# KiCad board asynthosc.kicad_pcb (continued)
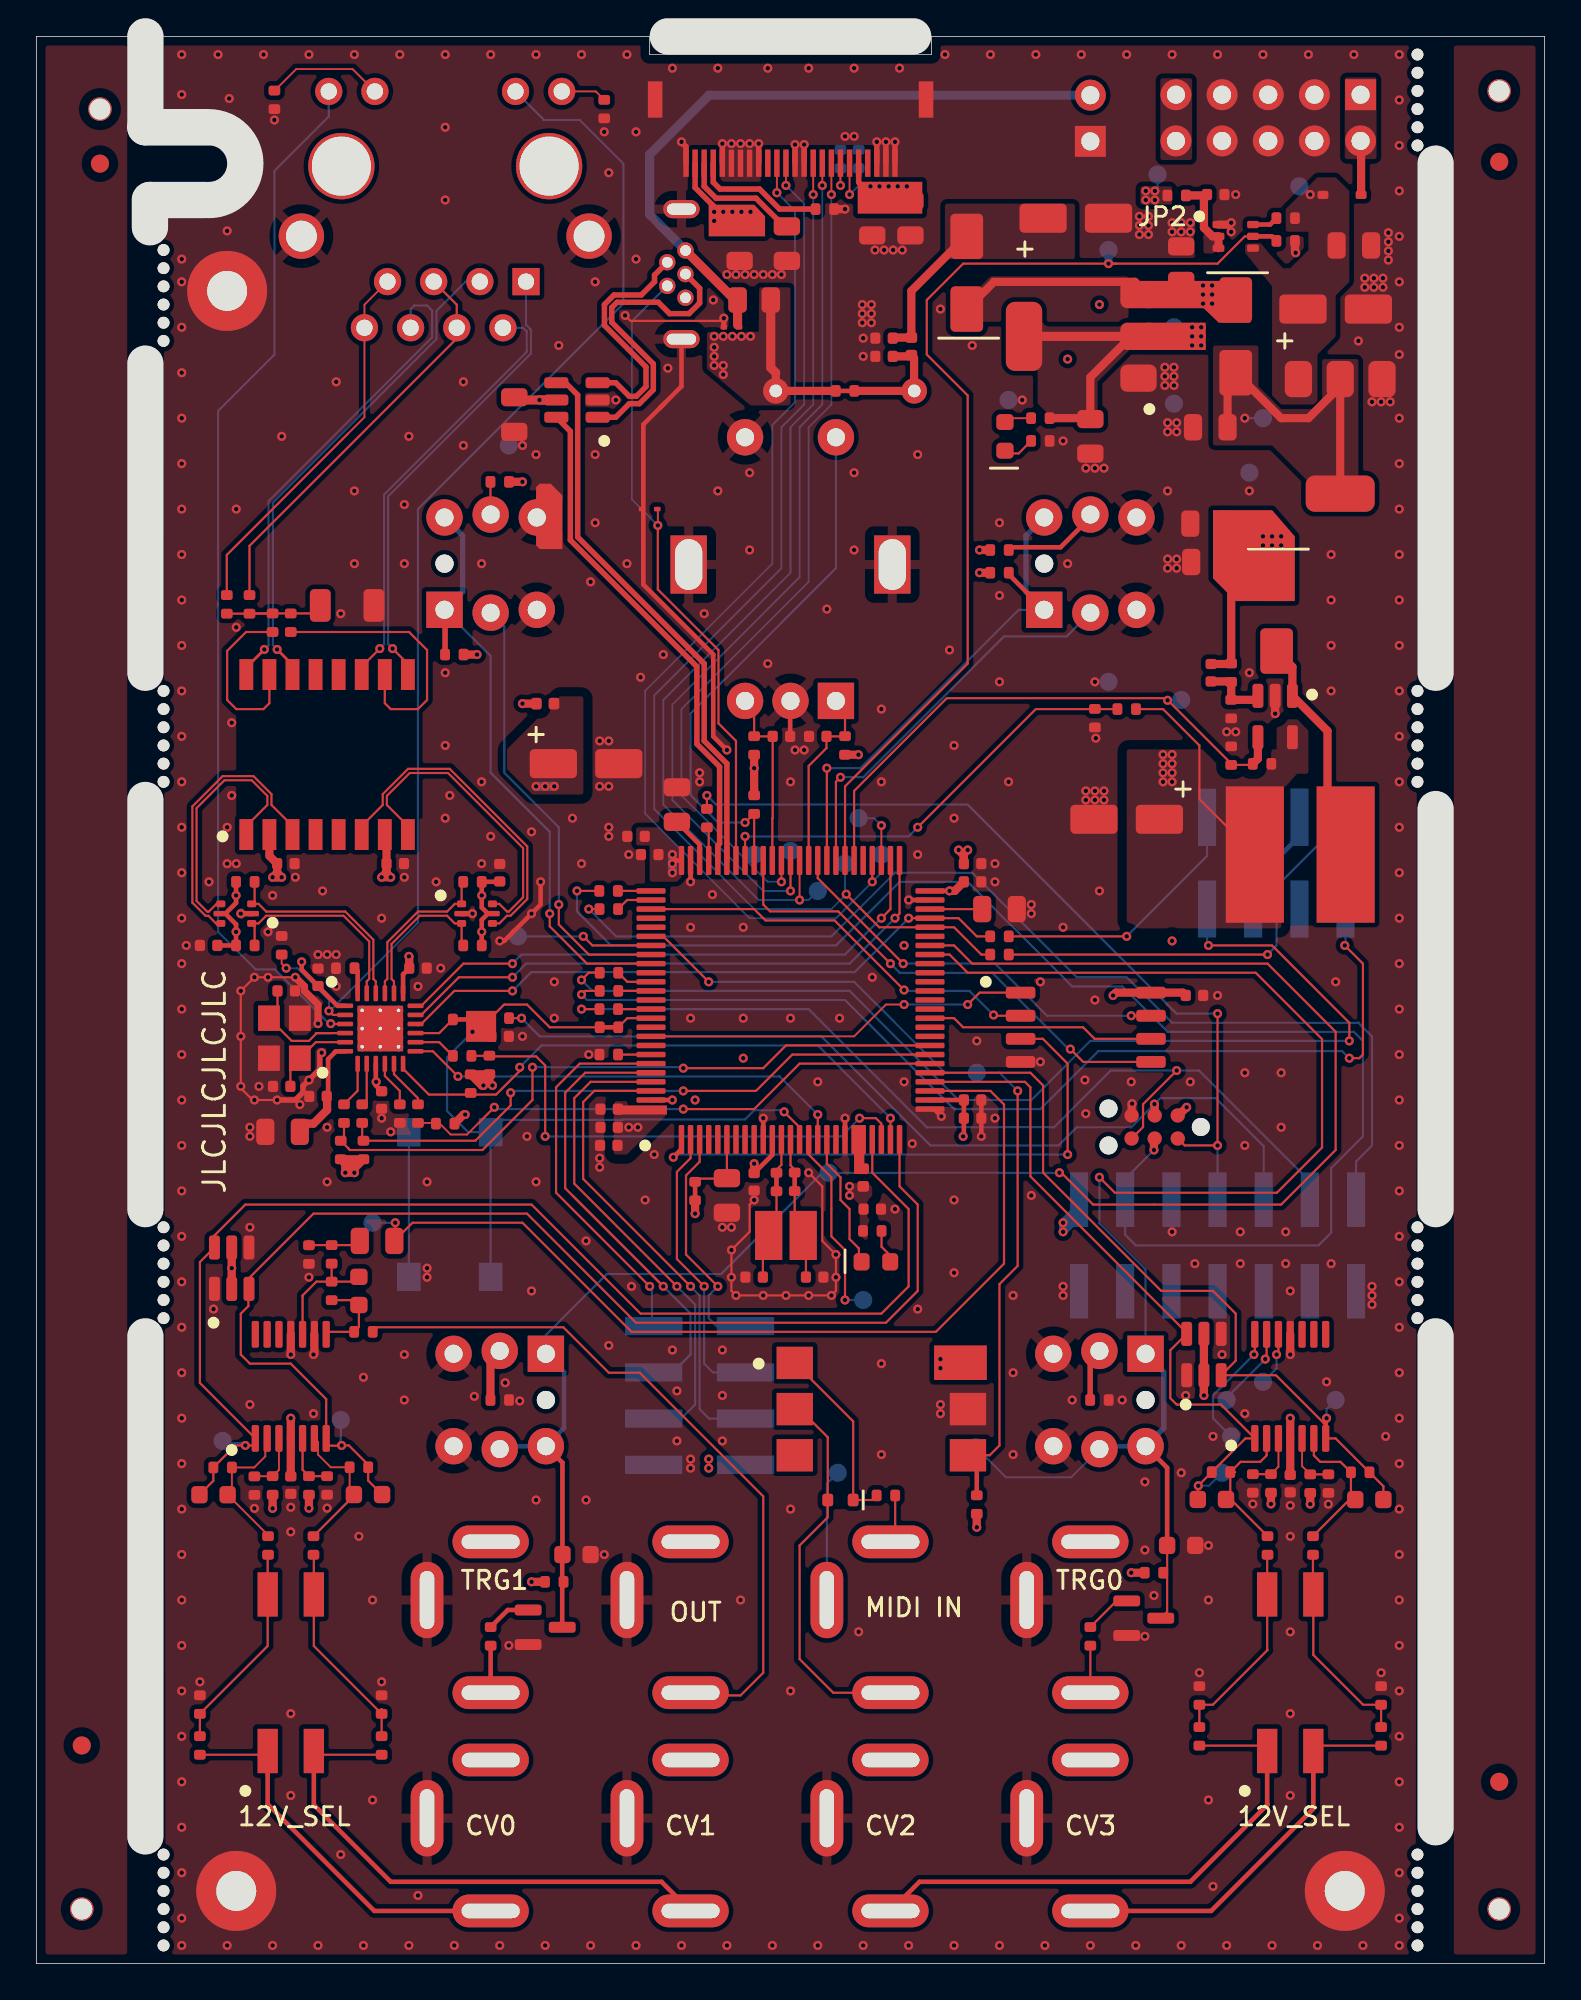
[diagram p0: board, top side]
## Routing (per net, layer and track width the routed paths; a pad name or vN(x,y) marks a point on that pad's centre or on a via; arc(x,y) is an arc through that point) (continued)
/Analog_in/CVIN0: length 70.2
  Front w0.12: U14.22 46,43.5 48,41.5 48,37.25 46.5,35.75 33.25,35.75 27.25,41.75 11.5,41.75 9.8,40.05 D22.6 9,38.59 9,31.94 U8.1 ; 12,28.75 12.05,28.8 U8.1 ; U8.1 12,28.84 12,28.5 v1(11.5,28.5) 10.95,28.5 R32.1 9.74,26.56 C34.1
  Back w0.12: TP8.1 10.38,28.62 11.38,28.62 v1(11.5,28.5)
/Analog_in/CVIN1: length 68.5
  Front w0.12: 16,28.49 16.71,28.49 ; U14.25 47.5,42.75 48.5,41.75 48.5,37 46.75,35.25 33,35.25 27,41.25 15.25,41.25 11.7,37.7 D22.3 11.67,37.08 11.67,36.17 11.25,35.75 11.25,33.5 11.75,33 14,33 15.95,31.05 U8.7 ; v1(16.8,28.5) 17.2,28.5 18.26,27.44 R38.1 18.26,26.56 C35.1
  Back w0.12: TP6.1 16.75,28.55 v1(16.8,28.5)
/Analog_in/CVIN2: length 39
  Front w0.12: 63.3,34.7 D24.6 62.4,33.74 62.4,31.1 62.75,30.75 65.19,30.75 U9.1 66.53,28.89 R44.1 ; 63.3,34.7 54.7,43.3 54.7,48.2 54.4,48.5 U14.29 ; 63.3,34.7 63.25,34.75 ; R44.1 63.94,26.29 v1(63.94,26.28) 63.93,26.28 63.91,26.27 C36.1 ; R44.1 64.68,27.11
  Back w0.102: TP2.1 64.53,26.28 v1(63.94,26.28)
/Analog_in/CVIN3: length 44.1
  Front w0.12: R75.1 73.36,27.1 ; R75.1 74.12,26.26 C50.1 ; R75.1 71.5,28.89 U9.7 70.95,29.62 71,29.57 71,29.75 70.82,29.75 68.21,32.36 D24.3 66,33.16 66,35.75 64.75,37 61.9,37 55.4,43.5 55.4,48.3 54.7,49 U14.30
  Front w0.25: v1(71,30) 70.95,29.95 U9.7
  Back w0.12: v1(71,30) 71,30.5 TP7.1
/Analog_in/TRG0: length 81.4
  Front w0.12: Q2.3 62.22,19.35 C37.2 ; v1(58.5,43.25) 59.35,42.4 68.27,42.4 70.75,44.88 70.75,50.85 67.1,54.5 51.25,54.5 50.25,55.5 U14.43 49.25,55.5
  Front w0.25: C37.2 62.22,27.28 SW5.1 ; 57.99,28.97 58.5,28.46
  Back w0.102: TP1.1 53.35,26.75 56.95,26.75 SW5.3
  Back w0.12: v1(58.5,43.25) 58.5,40.72 61.04,38.18 SW5.1
  Back w0.25: SW5.1 58.66,28.46 SW5.3
  Back w0.3: SW5.1 62.04,32.54 62.04,29.46 SW5.1
/Analog_in/TRG1: length 100.5
  Front w0.12: U14.44 50.5,56 51.5,55 67.75,55 71.5,51.25 71.5,44.75 68.5,41.75 58.15,41.75 56.4,43.5 v1(56.3,43.5)
  Front w0.25: Q1.3 28.94,22.49 C33.2 28.95,27.55 SW2.1 ; 24.99,28.97 25.5,28.46
  Back w0.12: SW2.1 28.04,34.58 31.39,37.93 37.68,37.93 43.25,43.5 TP3.1 v1(56.3,43.5)
  Back w0.25: SW2.1 29.04,32.54 29.04,29.46 SW2.1 25.66,28.46 SW2.3
/Interface/BTN_1: length 34.6
  Front w0.12: U14.84 30.3,55 28.25,57.05 v1(28.25,57.75)
  Front w0.3: R78.2 22.49,74.43 SW7.1
  Back w0.12: v1(28.25,57.75) 28.25,62.25 25,65.5 25,71.92 SW7.1
  Back w0.3: SW7.1 23.46,75.46 23.46,78.54 SW7.1
/Interface/BTN_2: length 29.5
  Front w0.12: 55.42,74.5 SW8.1 ; v1(43.5,65.75) U14.59
  Front w0.25: R79.2 53.51,76.41 SW8.1
  Back w0.12: v1(43.5,65.75) 45.35,65.75 54.06,74.46 SW8.1
  Back w0.3: SW8.1 54.46,78.54 54.46,75.46 SW8.1
/Interface/BTN_ROT: length 29.9
  Front w0.12: U14.67 R84.2 ; 39.48,63.24 v1(39,62.76)
  Back w0.12: SW6.S2 44,76.75 36,68.75 36,64.28 37.52,62.76 v1(39,62.76)
/Interface/DC: length 51.7
  Front w0.102: DS1.10 v1(42.75,97.3) ; v1(42,58.5) U14.62
  Back w0.102: v1(42.75,97.3) 42.75,85.75 41.5,84.5 41.5,76.5 34.5,69.5 34.5,63.75 39.75,58.5 v1(42,58.5) 42.5,58.5 TP14.1
/Interface/LED_BTN_1: length 24.5
  Front w0.12: v1(28.75,58.25) 28.75,57.15 30.4,55.5 U14.83
  Back w0.12: v1(28.75,58.25) 28.75,62.5 25.75,65.5 25.75,73.55 SW7.2
/Interface/LED_BTN_2: length 22.2
  Front w0.12: v1(44.25,65.25) 44,65 U14.58
  Back w0.12: SW8.2 56.7,73 53.25,73 45.5,65.25 v1(44.25,65.25)
/Interface/nCS: length 46.8
  Front w0.102: DS1.8 v1(43.75,97.3) ; v1(41,59.5) U14.64
  Back w0.102: v1(41,59.5) 40.25,59.5 35.5,64.25 35.5,69 42.5,76 42.5,84.5 43.75,85.75 v1(43.75,97.3)
/Interface/nRST: length 50.9
  Front w0.102: DS1.9 v1(43.25,97.8) ; v1(41.5,59) U14.63
  Back w0.102: TP9.1 v1(41.5,59) 40,59 35,64 35,69.25 42,76.25 42,84.5 43.25,85.75 v1(43.25,97.8)
/Interface/ROT_A: length 10.4
  Front w0.12: U14.61 42.5,65.88 43.48,66.86 C52.1 44.49,67.5 R77.2 44.5,68.95 SW6.A
/Interface/ROT_B: length 10
  Front w0.12: U14.65 40.5,62.98 40.52,63 C51.1 39.51,67.5 R76.2 39.5,68.95 SW6.B
/Interface/SDIN: length 58.2
  Front w0.102: DS1.14 v1(40.75,97.4)
  Front w0.12: U14.54 v1(46,59.5)
  Back w0.102: v1(40.75,97.4) 41.75,96.4 41.75,85.88 40.5,84.62 40.5,77 33.5,70 33.5,63.25 39.25,57.5 44,57.5 v1(46,59.5) 46.5,60 TP12.1
/Midi_in/MIDI_IN+: length 2.7
  Front w0.12: R68.1 47.26,23.46 J13.R
/Midi_in/MIDI_IN-: length 21.1
  Front w0.12: U12.2 42,30.5 43.55,28.95 D15.2 43.55,24.55 42,23 42,16.75 43.85,14.9 J13.T
/Midi_in/MIDI_SHD: length 7.2
  Back w0.12: J13.S 43.5,26.4 TP23.1
/Midi_in/MIDI_TO_SOC: length 48
  Front w0.12: U14.81 34.5,56.5 v1(37,54) ; v1(54,48) 54,38.38 53,37.38 53,28.5 52.46,27.96 U12.4
  Front w0.25: U12.4 51.75,27.47 R69.2
  Back w0.12: v1(54,48) 53,49 50,49 45,54 v1(37,54)
/Soc/ADC1_IN9: length 10.7
  Front w0.12: v1(44.5,36.5) 44.5,39.25 43.75,40 43.75,43.25 42.5,44.5 U14.15
  Back w0.12: TP31.1 v1(44.5,36.5)
/Soc/BOOT0: length 1.8
  Front w0.12: R7.2 U14.94
/Soc/DAC_OUT1: length 53.4
  Front w0.12: v1(19.75,40.75) 19.75,39.8 C31.2 20.7,40.75 26.75,40.75 32.75,34.75 49.5,34.75 53.25,38.5 53.25,47.25 52.5,48 U14.28
  Back w0.12: TP5.1 v1(19.75,40.75)
/Soc/DBG_LED: length 7.5
  Front w0.12: 45.26,38.6 45.26,39.34 44.75,39.85 44.75,41.5 44.25,42 44.25,43.25 43.5,44 U14.17
/Soc/DISP_10V_EN: length 31.7
  Front w0.12: 66.88,65.93 R2.1 65.75,66 62.27,69.48 v1(62.25,69.48) 62.13,69.6 50.1,69.6 45,64.5 U14.56
  Front w0.45: U2.4 67.22,66.27 R1.1
  Back w0.12: v1(62.25,69.48) 62.27,69.5 TP4.1
/Soc/DISP_12V_EN: length 56.5
  Front w0.12: 59.4,93.5 v1(59,93.5) ; 59.4,93.5 65,93.5 66.5,95 U5.5 ; 59.4,93.5 51,93.5 49,91.5 49,88.5 51.25,86.25 51.25,71.5 44.5,64.75 U14.57
  Front w0.25: U5.5 67.99,95 R5.2
  Back w0.45: TP25.1 v1(59,93.5)
/Soc/Ethernet/RJ45_LED1: length 58
  Front w0.12: v1(16.2,51.7) 16.22,51.68 U10.3
  Back w0.12: 16,51.75 v1(16.2,51.7) 16.12,51.7 13.13,54.69 12.06,54.69 10,56.75 10,85.4 13.1,88.5 13.1,98.6 16.09,101.59 J12.12
/Soc/Ethernet/RJ45_LED2: length 66.6
  Front w0.102: v1(13.75,54.75) 13.5,55 R86.2
  Front w0.12: U10.2 16.32,52.18 v1(16.1,52.4)
  Back w0.102: v1(16.1,52.4) 16.1,53 14.35,54.75 v1(13.75,54.75)
  Back w0.12: 16,52.25 16.1,52.35 v1(16.1,52.4) 16.15,52.4 21,57.25 21,80 32.3,91.3 32.3,99 29.9,101.4 27.9,101.4 27.9,101.44 J12.10
/Soc/Ethernet/RJ_RX_N: length 26.7
  Front w0.152: TR1.16 11.56,71.29 v1(12.55,72.28)
  Back w0.118: v1(12.55,72.28) 12.78,72.52 12.78,80.45 21.79,89.45 21.79,90.91 21.5,91.2 20.8,91.2 20.6,91 20.6,90.8 20.59,90.8 J12.6
/Soc/Ethernet/RJ_RX_P: length 27.2
  Front w0.152: TR1.14 14.09,71.44 v1(13.25,72.28)
  Back w0.118: v1(13.25,72.28) 13.01,72.52 13.01,80.35 22.01,89.35 22.01,90.9 23.63,92.51 J12.3
/Soc/Ethernet/RJ_TX_N: length 24
  Front w0.12: v1(18.9,72.33) 17.91,71.33 TR1.11
  Back w0.118: v1(18.9,72.33) 19.14,72.57 19.14,80.8 26.99,88.65 26.99,89.77 26.78,89.97 J12.2
/Soc/Ethernet/RJ_TX_P: length 25.4
  Front w0.12: TR1.9 20.44,71.48 v1(19.6,72.33)
  Back w0.118: v1(19.6,72.33) 19.36,72.57 19.36,80.7 27.21,88.55 27.21,89.86 26.94,90.13 J12.1
/Soc/Ethernet/RX_N: length 11.8
  Front w0.118: U10.22 18.68,54.02 18.54,54.16 18.54,56.32 17,57.86 12.65,57.86 12.23,58.29 U11.3
  Front w0.12: R57.1 12.01,58.45 U11.3
/Soc/Ethernet/RX_P: length 11.4
  Front w0.118: U11.1 12.23,57.21 12.65,57.64 16.9,57.64 18.32,56.22 18.32,54.16 18.18,54.02 U10.23
  Front w0.12: U11.1 12.01,57.05 R59.1
/Soc/Ethernet/RX_S_N: length 14.4
  Front w0.118: U11.4 9.92,58.29 9.5,57.86 9.4,57.86 8.81,58.45 8.81,63.55 10.35,65.09 11.85,65.09 12.71,64.23 12.71,63.73 11.56,62.57 TR1.1
/Soc/Ethernet/RX_S_P: length 15.5
  Front w0.118: TR1.3 14.09,62.57 12.94,63.73 12.94,64.32 11.95,65.31 10.25,65.31 8.59,63.65 8.59,58.35 9.3,57.64 9.46,57.64 9.89,57.21 U11.6
/Soc/Ethernet/TX_N: length 8.7
  Front w0.118: U13.3 23.02,57.21 22.6,57.64 21.1,57.64 19.54,56.08 19.54,54.16 19.68,54.02 U10.20
  Front w0.12: R60.1 23.4,56.09 U13.3
/Soc/Ethernet/TX_P: length 9.1
  Front w0.118: U13.1 23.02,58.29 22.6,57.86 21,57.86 19.32,56.18 19.32,54.16 19.18,54.02 U10.21
  Front w0.12: U13.1 23.4,59.41 R61.1
/Soc/Ethernet/TX_S_N: length 18.4
  Front w0.118: TR1.6 17.91,62.57 19.06,63.73 19.06,64.32 20.45,65.71 22.75,65.71 27.01,61.45 27.01,58.55 26.1,57.64 25.9,57.64 25.48,57.21 U13.4
/Soc/Ethernet/TX_S_P: length 17.2
  Front w0.118: TR1.8 20.44,62.57 19.29,63.73 19.29,64.23 20.55,65.49 22.65,65.49 26.79,61.35 26.79,58.65 26,57.86 25.9,57.86 25.48,58.29 U13.6
/Soc/EXT_LED1: length 14.6
  Front w0.12: U14.3 36.5,44.1 35.75,43.35 35.75,39 v1(37.5,37.25)
  Back w0.12: 37.75,35.25 38.83,35.25 J15.1 37.44,35.06 37,35.5 37,36.75 v1(37.5,37.25)
/Soc/EXT_LED2: length 21.1
  Front w0.12: U14.95 29.9,49.5 28.6,48.2 28.6,42.4 v1(33.75,37.25)
  Back w0.12: v1(33.75,37.25) 33.88,37.12 33.88,35.16 J15.2
/Soc/EXT_LED3: length 15.7
  Front w0.12: v1(36.75,37.25) 35.25,38.75 35.25,43.55 36,44.3 U14.2
  Back w0.12: v1(36.75,37.25) 36.75,33 37.23,32.52 J15.3
/Soc/EXT_LED4: length 31.9
  Front w0.12: 29.53,42.22 v1(34.5,37.25) 29.53,42.22 ; 29.53,42.22 29.1,42.65 29.1,47.9 30.2,49 U14.96
  Back w0.12: v1(34.5,37.25) 36,35.75 36,33.5 35.02,32.52 J15.4
/Soc/EXT_LED5: length 26.3
  Front w0.12: U14.98 30.7,48 30.09,47.39 30.09,43.16 v1(36,37.25)
  Back w0.12: J15.5 37.02,29.98 36.5,30.5 36.5,36.75 v1(36,37.25)
/Soc/EXT_LED6: length 26.8
  Front w0.12: U14.97 30.5,48.5 29.6,47.6 29.6,42.9 v1(35.25,37.25)
  Back w0.12: J15.6 35.48,29.98 36.25,30.75 36.25,36.25 v1(35.25,37.25)
/Soc/JTCK: length 1.8
  Front w0.12: U14.76 R15.2
/Soc/JTCK_CONN: length 80.8
  Front w0.12: R15.1 v1(29.75,59)
  Front w0.45: v1(61.5,44.75) 61.5,45.34 J3.4
  Back w0.12: v1(29.75,59) 29.75,57.88 31.62,56 44,56 47.5,59.5 51.25,59.5 57,53.75 59.75,53.75 62.25,51.25 72.5,51.25 73,50.75 73,45.5 71.25,43.75 71.25,40.2 70.55,39.5 60.5,39.5 59.92,40.08 J4.4 ; v1(61.5,44.75) 59.92,43.17 59.92,41.77
/Soc/JTDI: length 2
  Front w0.12: R19.2 32.51,58.5 U14.77
/Soc/JTDI_CONN: length 59
  Front w0.12: 30.5,58 R19.1
  Back w0.12: 72.62,41.77 72.62,44.12 73.5,45 73.5,51 72.75,51.75 62.5,51.75 60,54.25 57.25,54.25 51.5,60 47.25,60 43.75,56.5 31.9,56.5 v1(30.4,58)
/Soc/JTDO: length 1.8
  Front w0.12: U14.89 R18.2
/Soc/JTDO_CONN: length 53.3
  Front w0.12: J3.6 60.9,46.01 60.9,47.27 v1(62.75,49.12) ; R18.1 v1(30,52.5)
  Back w0.12: J4.12 70.08,43.02 63.98,49.12 v1(62.75,49.12) 59.12,49.12 56,46 49,46 42.5,52.5 v1(30,52.5)
/Soc/JTMS: length 1.7
  Front w0.12: U14.72 37,62.39
/Soc/JTMS_CONN: length 46.7
  Front w0.12: J3.2 63.19,45 v1(65,45) v1(65,52.25) 65.07,52.32 ; v1(36.9,64.25) R16.1
  Back w0.12: v1(36.9,64.25) 37.4,63.75 51.25,63.75 62.75,52.25 v1(65,52.25) ; v1(65,45) 65,41.77
/Soc/nRST: length 43.4
  Front w0.12: U14.14 42,46 v1(41.15,46.85) ; 30.83,51.5 28.25,51.5 27,52.75 25.74,52.75 R17.2 24.22,52 ; C18.1 24.25,51 v1(24,51.25) 24,51.59 24.14,51.73
  Back w0.12: SW1.2 SW1.2 ; SW1.2 25.69,46.41 32.29,46.41 32.32,46.44 39,46.44 39.5,46.94 41.06,46.94 v1(41.15,46.85) ; SW1.2 23.78,45.72 22.6,46.9 22.6,49.85 v1(24,51.25)
/Soc/NRST_CONN: length 50.4
  Front w0.12: 25.99,52 v1(26.7,52)
  Front w0.45: v1(61.53,47.28) 61.54,47.26 J3.3
  Back w0.12: 67.54,41.77 67.54,44.96 64.9,47.6 61.85,47.6 v1(61.53,47.28) 60.25,46 57.25,46 56.25,45 49.2,45 43.2,51 27.7,51 v1(26.7,52)
/Soc/QSPI_BK1_IO0: length 27.4
  Front w0.12: U14.66 40,58.25 40.38,57.88 44.12,57.88 v1(47,55) ; v1(56.9,50.3) 57.6,49.59 61.35,49.59
  Back w0.12: v1(56.9,50.3) 56.8,50.3 52.6,54.5 47.5,54.5 v1(47,55)
/Soc/QSPI_BK1_IO1: length 22.8
  Front w0.12: U14.78 39.5,58 40.12,57.38 43.92,57.38 v1(47.75,53.55) ; v1(52.68,52.17) 52.72,52.14 54.15,52.14
  Back w0.12: v1(47.75,53.55) 47.8,53.5 51.35,53.5 v1(52.68,52.17)
/Soc/QSPI_BK1_IO2: length 30.7
  Front w0.12: v1(56.75,44.5) 56.75,49.5 55.38,50.86 54.15,50.86
  Front w0.25: v1(35.05,44.35) 35.5,44.8 35.5,45.17
  Back w0.12: v1(56.75,44.5) 35.2,44.5
/Soc/QSPI_BK1_IO3: length 22.5
  Front w0.12: v1(47.7,55) 43,59.7 U14.60 ; v1(60.25,52.14) 61.35,52.14
  Back w0.12: v1(47.7,55) 52.75,55 55.62,52.14 v1(60.25,52.14)
/Soc/QSPI_BK1_NCS: length 21.3
  Front w0.102: U14.92 45,51 46.75,52.75 v1(47.75,52.75)
  Front w0.12: 54.15,53.41 51.91,53.41 v1(51.25,52.75)
  Back w0.12: v1(51.25,52.75) v1(47.75,52.75)
/Soc/QSPI_CLK: length 13.1
  Front w0.12: U14.36 50.5,52 51,51.5 57.6,51.5 58.24,50.86 61.35,50.86 ; 61.24,50.75 60.75,50.75
/Soc/RMII_CRS_DV: length 30.2
  Front w0.102: 24.34,46.24 23.7,45.6 22.8,45.6 22.1,46.3 22.08,46.3 22.02,46.24 R55.1
  Front w0.12: v1(25.2,47.1) 24.34,46.24 ; U14.31 42,49.5 39.5,47 v1(35.6,47)
  Back w0.12: v1(25.2,47.1) 25.3,47 v1(35.6,47)
/Soc/RMII_MDC: length 25.1
  Front w0.12: 20.75,50.25 20.82,50.18 U10.13 21.82,50.18 v1(23.2,48.8) ; v1(43,46.7) U14.16
  Back w0.12: v1(23.2,48.8) 40.9,48.8 v1(43,46.7)
/Soc/RMII_MDIO: length 31.7
  Front w0.12: v1(26.6,49.3) 26.6,49.1 25.3,47.8 21.6,47.8 20.18,49.22 U10.12 ; U14.24 v1(47,46.5)
  Back w0.12: v1(47,46.5) 43,50.5 27.8,50.5 v1(26.6,49.3)
/Soc/RMII_REF_CLK: length 28.1
  Front w0.12: U14.23 46.5,46.2 46.2,46.5 v1(45.3,46.5) ; R56.1 24.92,49.93 R50.1 24.96,49.94 25,49.9 27.5,49.9 28,49.4 v1(28,45.5)
  Back w0.12: v1(28,45.5) 44.3,45.5 v1(45.3,46.5)
/Soc/RMII_RXD0: length 34.6
  Front w0.12: U14.32 41.6,50 39.6,48 v1(35.6,48) ; R52.1 17.93,45.33 R48.1 24.16,45.26 26.1,47.2 v1(26.1,47.9)
  Back w0.12: v1(26.1,47.9) 26.2,48 v1(35.6,48)
/Soc/RMII_RXD1: length 37.2
  Front w0.12: v1(27.3,49.3) 27.3,47.5 24.55,44.75 17.25,44.75 17.18,44.82 17.18,44.83 R49.1 16.93,45.44 R53.1 ; U14.33 41.25,50.5 40,49.25 v1(35.6,49.25)
  Back w0.12: 27.35,49.25 v1(27.3,49.3) 35.55,49.3 v1(35.6,49.25)
/Soc/RMII_TX_EN: length 34.9
  Front w0.12: R14.2 51.75,56.5 50.75,57.5 U14.47 v1(48,57.5) ; v1(26.2,53.5) 23,53.5 21.18,51.68 U10.16 20.92,51.68 21,51.6 ; 26.1,53.5 26.4,53.5
  Back w0.12: v1(26.2,53.5) 27.23,54.53 45.03,54.53 v1(48,57.5)
/Soc/RMII_TXD0: length 31.9
  Front w0.12: U10.17 21.18,52.18 23.25,54.25 v1(26.2,54.25) ; v1(47.25,57.5) 47.5,57.75 U14.51
  Back w0.12: v1(47.25,57.5) 44.75,55 26.95,55 v1(26.2,54.25)
/Soc/RMII_TXD1: length 31
  Front w0.12: v1(46.5,57.5) 47,58 U14.52 ; v1(26.2,55) 23.5,55 21.18,52.68 U10.18
  Back w0.12: v1(46.5,57.5) 44.5,55.5 26.7,55.5 v1(26.2,55)
/Soc/SPI2_MISO: length 3.3
  Front w0.102: U14.53 v1(46.5,62.6)
  Back w0.102: TP24.1 46.1,63 v1(46.5,62.6)
/Soc/SPI2_SCK: length 63.5
  Front w0.102: DS1.13 v1(41.25,97.8)
  Front w0.12: v1(44.57,58.82) 46.38,57 U14.46 50.5,57 52,55.5 R13.2
  Back w0.102: TP11.1 44.5,58.88 v1(44.57,58.82) 43.75,58 39.5,58 34,63.5 34,69.75 41,76.75 41,84.5 42.25,85.75 42.25,96.8 v1(41.25,97.8)
/Soc/UART4_TX: length 7.6
  Front w0.12: v1(30.1,56.5) 30.6,56 U14.82
  Back w0.12: v1(30.1,56.5) 26.75,56.5 26.5,56.75
/Soc/USART2_DBG_RX: length 1.8
  Front w0.12: R11.2 U14.87
/Soc/USART2_DBG_TX: length 2
  Front w0.12: U14.86 32.52,54 R12.2
/Soc/USART3_BOOT_DBG_RX: length 14.9
  Front w0.12: v1(60,56.5) R14.1
  Back w0.12: J5.8 64.42,60.92 v1(60,56.5)
/Soc/USART3_BOOT_DBG_TX: length 23.6
  Front w0.12: v1(67.75,55.5) R13.1
  Back w0.12: J5.2 72.04,63.04 68.25,59.25 68.25,56 v1(67.75,55.5)
/Soc/USB_D_N: length 30.6
  Front w0.3: 28.45,86.95 29.11,86.95 29.79,86.27 29.79,78.46 36.75,71.5 36.75,67.25 38,66 U14.70
/Soc/USB_D_P: length 28.1
  Front w0.3: U14.71 37.5,61.5 37.6,61.6 37.6,65.83 36.35,67.08 36.35,71.33 29.39,78.3 29.39,84.28 U3.6
/Soc/USB_ID: length 38.3
  Front w0.102: D3.2 34.2,79.97 v1(34.2,79.1)
  Front w0.12: U14.69 38.5,67.25 37.54,68.21 37.54,72.24 34.2,75.58 v1(34.2,79.1)
  Back w0.102: 32.89,90.45 J1.4 32.77,90.33 32.77,80.53 v1(34.2,79.1)
/Supply/EUR_+12V: length 3.1
  Front w0.45: 73.05,100.07 J2.2 ; D2.2 72.9,100.1
/Supply/IN_+12V: length 0.8
  Back w0.12: TP30.1 69.65,97.75 v1(70.1,97.3)
/Supply/USBIN_D_N: length 13.3
  Front w0.3: 34.72,93.58 34.02,92.87 34.02,92.51 33.29,91.78 31.79,91.78 31.26,91.25 31.26,90.11 33.55,87.82 33.55,86.73 33.02,86.2 32.63,86.2 31.88,86.95 U3.3
/Supply/USBIN_D_P: length 16.5
  Front w0.3: J1.3 36.5,92.15 36.5,91.33 35.92,90.75 34.85,90.75 34.22,91.38 31.95,91.38 31.66,91.08 31.66,90.27 33.95,87.98 33.95,86.57 33.18,85.8 32.63,85.8 31.88,85.05 U3.1
Net-(C27-Pad1): length 2.9
  Front w0.12: U14.48 C27.1
Net-(C28-Pad1): length 2.6
  Front w0.25: U14.73 36.5,61.55 C28.1
Net-(C31-Pad1): length 3.3
  Front w0.12: R20.1 15,39.75 15.23,39.52 R21.2 ; C31.1 17.57,39.52 R21.2 ; R21.2 16.25,39.5
Net-(C32-Pad2): length 4.9
  Front w0.12: 16,34.5 15.95,34.55 U8.8 16.09,34.75 R23.2 17.75,35.01 C32.2 17.48,36.49 R22.1
Net-(C48-Pad1): length 6.1
  Front w0.12: R62.1 12.99,74.25 R65.1 ; 15.23,74.26 11.74,74.26 R64.1 ; 15.98,74.26 16,74.24
Net-(D4-A): length 12.3
  Front w0.45: D4.2 69.12,71.32 U2.1 71.05,67.8 71.05,61
Net-(D7-A): length 1.4
  Front w0.102: R9.2 53.36,85
Net-(D7-K): length 1.7
  Front w0.12: 53.3,83.06 54.05,83.06 JP7.2
Net-(D8-A): length 1.8
  Front w0.12: R10.2 46.51,39.43 47.14,38.8
Net-(D15-K): length 10.5
  Front w0.12: 41.96,33.04 U12.1 44.95,29.83 D15.1 45.99,25.5 R68.2
Net-(DS1-BS1): length 3.4
  Front w0.102: DS1.6 v1(44.75,97.3)
  Back w0.102: JP9.2 45.25,97.8 v1(44.75,97.3)
Net-(DS1-BS2): length 2.2
  Front w0.102: DS1.7 v1(44.25,97.8)
  Back w0.102: v1(44.25,97.8) JP10.2
Net-(DS1-IREF): length 7.3
  Front w0.3: R82.1 40.9,96.5 39.8,97.6 37.62,97.6 37.25,97.97 DS1.21
Net-(DS1-VCOMH): length 6.4
  Front w0.3: DS1.22 36.75,97.75 37.4,97.1 39.6,97.1 40.75,95.95 40.75,95.55
Net-(J5-Pin_1): length 56.7
  Front w0.12: v1(72,56) 73,55 73,50 72.8,49.8 v1(72.25,49.8) ; R11.1 30.2,53.5 v1(30,53.3)
  Back w0.12: J5.1 72.04,56.04 v1(72,56) ; v1(72.25,49.8) 71.87,50.19 58.44,50.19 55.25,47 50.5,47 44.5,53 30.3,53 v1(30,53.3)
Net-(J5-Pin_7): length 60
  Front w0.12: R12.1 30.4,54.5 v1(30,54.1) ; v1(64.5,56) 68,56 72.25,51.75 v1(72.25,50.75)
  Back w0.12: v1(72.25,50.75) 58,50.75 54.75,47.5 50.75,47.5 44.75,53.5 30.6,53.5 v1(30,54.1) ; v1(64.5,56) 64.42,56.08 J5.7
Net-(J6-PadT): length 39.7
  Front w0.12: J6.T 36.15,14.75 38.75,14.75 40,16 40,25.7 33.2,32.5 31.5,32.5 29,35 18.76,35 R23.1
Net-(J7-PadT): length 2.6
  Front w0.25: R24.2 J7.T
Net-(J8-PadT): length 21.4
  Front w0.12: R27.2 12.53,11.49 SW3.1
  Front w0.25: J8.T 18.6,2.9 12.73,8.77 SW3.1
Net-(J10-PadT): length 30
  Front w0.12: R39.2 67.44,11.99 SW4.1
  Front w0.25: SW4.1 67.73,8.77 67.75,8.75 63.5,4.5 48.6,4.5 J10.T
Net-(J11-PadT): length 2.6
  Front w0.12: R45.2 J11.T
Net-(J12-Pad4): length 22.5
  Front w0.12: R64.2 11.73,77.98 23.14,89.38 23.14,91.24 J12.5
Net-(J12-Pad7): length 20.9
  Front w0.102: 17.15,84.15 18.06,85.06 18.06,91.24 J12.7
  Front w0.12: R65.2 10.48,77.48 17.15,84.15
Net-(J12-Pad9): length 2.5
  Front w0.102: R66.2 30.79,102.97 J12.9
Net-(J12-Pad11): length 6.5
  Front w0.102: J12.11 17.4,104.2 14.3,104.2 13.12,103.02 R67.2
Net-(JP1-B): length 6.1
  Front w0.45: JP1.2 48.4,86.5 ; C10.1 48.08,88.4 ; 48.3,86.6 48.3,88.31
Net-(JP2-A): length 4.4
  Front w0.45: JP2.1 64.25,97.25 64.25,95.47 64.72,95 U5.2 U5.3
Net-(JP3-A): length 1.8
  Front w0.12: 40.73,43.67 41,43.94 U14.12
Net-(JP3-B): length 4.1
  Front w0.12: 40.73,40.48 40.73,42.2 ; C23.2 39.98,39.73 Y1.2
Net-(JP4-A): length 1.7
  Front w0.12: 41.73,43.67 41.5,43.91 U14.13
Net-(JP4-B): length 4
  Front w0.12: C24.2 42.35,39.9 Y1.1 ; 41.73,40.52 41.73,42.22
Net-(JP5-A): length 3.9
  Front w0.12: 36.25,43.17 37.67,43.17 37.7,43.2 C29.1 U14.6
Net-(JP6-B): length 1.7
  Front w0.12: 32.22,51.7 32.52,52 U14.90
Net-(JP8-A): length 2.3
  Front w0.12: U10.15 22.17,51.18 22.75,51.77 22.75,51.93
Net-(Q1-B): length 2.5
  Front w0.25: R24.1 25.94,19.45 Q1.1
Net-(Q2-B): length 2.6
  Front w0.12: R45.1 59.44,19.95 Q2.1
Net-(R26-Pad1): length 2.9
  Front w0.45: R26.1 24.99,33.19 SW2.2
Net-(R47-Pad1): length 2.9
  Front w0.3: SW5.2 57.99,33.19 R47.1
Net-(SW3A-2): length 11.5
  Front w0.12: R27.1 R28.1 12.73,17.47 SW3.4 12.73,22.47 R29.2
Net-(SW3B-1): length 29.9
  Front w0.12: R33.2 15.47,11.49 SW3.2
  Front w0.25: SW3.2 15.27,8.73 19.5,4.5 34.4,4.5 J9.T
Net-(SW3B-2): length 11.8
  Front w0.12: 18.99,14 19,13.99 R33.1 ; R35.2 15.27,22.47 SW3.3 15.27,17.47 R34.1
Net-(SW4A-2): length 11.5
  Front w0.12: R41.2 67.73,22.47 SW4.4 67.73,17.27 67.75,17.25 64.74,14.24 R40.1 R39.1
Net-(SW4B-1): length 21.6
  Front w0.12: SW4.2 70.56,11.99 R70.2
  Front w0.25: SW4.2 70.27,8.52 64.65,2.9 J14.T
Net-(SW4B-2): length 11.6
  Front w0.12: R70.1 R71.1 73.01,14.24 70.27,16.98 SW4.3 70.25,20.32 R72.2
Net-(SW7-K): length 2.2
  Front w0.12: R80.2 24.99,79.55 25,79.54 24.79,79.54 24.75,79.5
Net-(SW8-K): length 5.2
  Front w0.12: 58.01,79.55 58,79.54
  Front w0.25: 58,79.54 56.36,77.9 53.66,77.9 R81.2
Net-(TP28-Pad1): length 7
  Front w0.12: U9.14 67.05,33.55 v1(67,33.5)
  Back w0.12: v1(67,33.5) 64.75,31.25 64.75,30 TP28.1
Net-(TR1-C_RX): length 15.1
  Front w0.12: 14.11,73.14 R63.2 20.51,73.24 21.5,72.25 21.5,69.5 21,69 19.5,69 19.17,69.33 TR1.10
Net-(TR1-C_TX): length 10
  Front w0.12: R62.2 11.54,73.24 10.5,72.2 10.5,69.5 11,69 12.5,69 12.83,69.33 TR1.15 12.77,70.95
Net-(U2-FB): length 3.7
  Front w0.45: C6.1 65.72,70.52 R4.2 R3.1 67,69.51 U2.3
Net-(U5-R1): length 1.4
  Front w0.25: R6.2 67.89,95.65 U5.6
Net-(U8A-+): length 3.2
  Front w0.102: R31.1 12.01,26.81 R30.1 13.35,27.16 U8.3
Net-(U8A--): length 7.9
  Front w0.102: R29.1 12.75,23.56 C34.2 10.76,26.03 R32.2 11.99,27.29 12.6,27.9 12.6,28.79 U8.2
Net-(U8B-+): length 3.4
  Front w0.12: R36.1 R37.1 ; R36.1 14.65,27.16 U8.5 ; R36.1 15.15,26.96
Net-(U8B--): length 7.8
  Front w0.102: U8.6 15.5,28.69 15.5,28 16.2,27.3 R38.2 17.24,26.03 C35.2
  Front w0.12: R35.1 17.47,25.73 C35.2
Net-(U8C-+): length 6.7
  Front w0.12: R22.2 17.48,37.51 C32.1 ; R22.2 R21.1 ; R22.2 15.41,37.51 14.65,36.75 U8.10
Net-(U9A-+): length 3.3
  Front w0.102: R42.1 68.35,27.33 U9.3
  Front w0.12: R43.1 R42.1 67.79,27.07
Net-(U9A--): length 9
  Front w0.12: R44.2 65.97,27.03 ; R44.2 66.27,27.6 67.35,27.6 67.7,27.95 U9.2 67.7,28.17 ; R44.2 65.7,25.77 C36.2 65.73,25.53 R41.1
Net-(U9B-+): length 3.4
  Front w0.102: R73.1 69.65,27.36 U9.5
  Front w0.12: R74.1 R73.1 70.25,27.06
Net-(U9B--): length 8.4
  Front w0.12: U9.6 70.3,27.95 70.65,27.6 71.76,27.6 R75.2 72.34,25.76 C50.2 ; C50.2 72.26,25.52 R72.1 ; C50.2 72.57,25.26
Net-(U9D-+): length 3
  Front w0.12: U9.12 68.35,33.6 v1(68.25,33.5)
  Back w0.12: v1(68.25,33.5) 68.25,32.75 TP26.1
Net-(U9D--): length 4.5
  Front w0.12: v1(67.63,33.25) 67.7,33.32 U9.13
  Back w0.12: v1(67.63,33.25) 65.5,31.12 TP27.1
Net-(U10-CRS_DV/MODE2): length 2.8
  Front w0.12: R55.2 21,47.6 19.68,48.92 U10.11
Net-(U10-RBIAS): length 1.5
  Front w0.25: R58.1 17.68,54.58 U10.24
Net-(U10-RXD0/MODE0): length 2.3
  Front w0.12: U10.8 18.18,47.51 R52.2
Net-(U10-RXD1/MODE1): length 2.5
  Front w0.12: U10.7 17.68,48.01 R53.2
Net-(U10-RXER/PHYAD0): length 2.6
  Front w0.12: R54.2 20,48 19.18,48.82 U10.10
Net-(U10-XTAL1/CLKIN): length 4.6
  Front w0.12: U10.5 15.38,50.68 14.53,49.83 ; Y3.1 13.98,49.28 C38.2
Net-(U10-XTAL2): length 7.5
  Front w0.12: C39.2 13.27,52.47 Y3.3 14.05,50.75 15,50.75 15.43,51.18 16.25,51.18 ; U10.4 16.25,51.18 ; 16.25,51.18 15.38,51.18
Net-(U10-~{INT}/REFCLKO): length 2.4
  Front w0.12: R56.2 22.17,50.68 U10.14
Net-(U14-PA9): length 24.7
  Front w0.12: v1(48.5,62.5) 55,69 R8.2 ; U14.68 v1(39,62)
  Back w0.12: v1(48.5,62.5) 48,62 v1(39,62)

## Copper pours and planes (outline as drawn; the poured copper is in the pictures)
3V3 on Front (solid shape): 34.7,47.2 31.9,47.2 31.9,46.7 34.7,46.7
3V3 on Front (solid shape): 45.2,98 48.75,98 48.75,96.25 45.2,96.25
3V3 on Front (solid shape): 49.4,34 49.4,32.1 52.3,32.1 52.3,34
3V3 on Front (solid shape): 64.35,88.75 61.1,88.75 61.1,90.25 64.35,90.25
3V3 on Front: 44.5,43.25 46,43.25 46,40 45.75,39.75 45,39.75 45,41.5 44.5,42
3V3 on Front: 55.1,90.3 60.2,90.3 60.2,88.8 58.4,87 58.4,84.8 56,84.8 55.6,85.2 55.6,85.3 55.1,85.8
3V3 on Front: 31.5,44.5 31.5,47.5 35,47.5 35,47 32.5,44.5
3V3 on Front: 33,62.5 34.25,62.5 35.5,61.25 35.5,59.75 35.25,59.5 33.75,59.5 33.75,61.5 33,61.5
3V3 on Back: 36.7,28 36.7,26.9 40.6,26.9 40.6,28
3V3 on Back, In1.Cu: 63.35,90.25 63.35,88.75 64.35,88.75 64.35,90.25
3V3 on Back, In1.Cu: 45.6,98 48.2,98 48.2,97.5 45.6,97.5
3V3 on In2.Cu: 44.46,83.99 44.47,99.1 74.25,99.1 74.25,4.25 72,2 10.9,2 8.75,3.9 8.75,84.03
3V3_FILT on Front: 25.9,66.8 25.9,65.7 27.3,64.3 30.1,64.3 30.1,69.7 28.8,69.7
3V3_FILT on In2.Cu: 10.5,65.75 12.25,67.5 30.25,67.5 30.25,62 27.75,59.5 27.75,54.75 21,48 10.5,48
5V on Front (solid shape): 61.1,92.55 66.8,92.55 66.8,90.25 65.07,90.25 64.24,91.05 61.1,91.05
5V on Front: 60.1,92.7 60.1,90.3 51.5,90.3 51.5,91.8 52.5,92.8 60,92.8
5V on Back, In1.Cu: 63.95,92.55 63.95,91.05 64.95,91.05 64.95,92.55
5V on In2.Cu: 60.5,93.25 65,93.25 65,91.05 63.32,91.05 62.75,90.4 62.74,88.98 64.9,86.6 67.4,86.6 70.75,83.25 70.75,24 67.5,24 67.5,29.75 63,34.25 18.75,34.25 14.91,30.41 14.9,28.6 15.08,26.75 16.35,25.77 16.14,24.05 12.12,24.05 12,25.93 13.2,27 13.25,30.75 19.25,36.75 63.1,36.75 69,42.65 69,83 67.15,84.85 61.35,84.85 60.5,85.7
+10V on Front (solid shape): 37,96.74 39.5,96.74 40.1,96.1 40.1,95 37,95
+10V on Front (solid shape): 64.75,79.94 68,79.94 69.25,78.5 69.25,74.94 66,74.94 64.75,76.19
+10V on Front: 60.75,97.75 62.5,97.75 62.5,96.75 60.75,96.75
+10V on Back, In1.Cu: 67.25,77.75 68.75,77.75 68.75,78.75 67.25,78.75
+10V on Back, In1.Cu: 60.8,97.75 60.8,96.75 61.8,96.75 61.8,97.75
+10V on Back, In1.Cu: 37,96.6 37,95.6 37.6,95.6 37.6,96.1 39.6,96.1 39.6,96.6
+10V on In2.Cu: 36.66,96.71 44.14,96.71 55.95,96.7 57,97.75 61.8,97.75 61.8,96.5 60.25,96.5 60.25,85.4 61.9,83.75 68.25,83.75 69,83 69,77.5 67.1,77.5 67.1,81.3 46.81,81.3 42.5,85.69 42.5,90 36.68,89.99
/Soc/VDDA on Front (solid shape): 45,46.12 45.5,46.12 45.5,43.43 45,43.43
/Supply/5V_CLEAN on Front: 50,96.8 57.15,96.8 57.15,93.75 50,93.75
/Supply/5V_EUR on Front: 67.25,89 67.25,86.75 68.5,85.5 70.5,85.5 70.75,85.75 70.75,88.25 72.75,88.25 72.75,81.5 70,81.5 68,83.5 64.75,83.5 64.75,89
/Supply/VBUS on Front: 68.25,68.44 70,68.44 70,65.44 69.38,65.44 68.75,64.75 68.75,56.94 60,56.94 60,66.79 68.25,66.79
/Supply/VBUS on Front: 39.3,85.7 36.9,87.72 36.9,89.75 39.75,89.75 39.78,92.2 41.5,92.2 41.5,85.7
/Supply/VBUS on Back, In1.Cu: 61.75,66.75 61.75,64.75 62.75,64.75 62.75,66.75
/Supply/VBUS on Back, In1.Cu, In2.Cu: 37,89.8 39.6,89.8 39.6,89.2 37.6,89.2 37.6,88.2 38.1,88.2 38.1,87.1 37.7,87.1 37,87.8
/Supply/VBUS on In2.Cu: 29.9,90 42.44,89.99 42.42,85.49 58.8,68.67 64,68.67 64,63.73 50.78,63.73 30.8,84.15 27.4,84.13 27.4,87.65
/Supply/VBUS_CONNECT on In2.Cu: 59.2,103.5 59.2,101.38 57.3,99.25 45.3,99.25 45.3,96.96 36.65,96.95 36.65,93.25 33.25,93.25 32.5,94 32.5,101 35,103.5
GND on Front (solid shape): 28.95,80.75 28.95,77.8 27.7,77.8 27.5,78 27.5,81.2 27.7,81.4 28.3,81.4
GND on In2.Cu (solid shape): 17.6,52.7 20.2,52.7 20.2,50.1 17.6,50.1
GND on Front, Back: 7,106 76,106 75.9,0 7,0 7.1,0.1
GND on In1.Cu: 7,106 76,106 75.9,0 7,0 7.1,0.1
GND on In2.Cu: 60.45,96.35 60.45,94.85 61.45,94.85 61.45,96.35
GND on In2.Cu: 57.5,63.75 59,63.75 59,64.75 57.5,64.75
GND on In2.Cu: 62,77.5 62,76.5 63,76.5 63,77.5
GND on In2.Cu: 72.85,91.95 74.35,91.95 74.35,92.95 72.85,92.95
GND on In2.Cu: 45.2,91.5 45.2,90 46.2,90 46.2,91.5
GND on In2.Cu: 61.4,95 63.75,95 63.75,96 61.4,96
GND on In2.Cu: 61.85,88.05 61.85,86.55 62.85,86.55 62.85,88.05
GND on In2.Cu: 6.98,106.01 75.98,106.01 75.88,0.01 6.98,0.01 7.08,0.11
GND on In2.Cu: 62,85 62,84 63,84 63,85
(no net) on Front, Back, In1.Cu, In2.Cu: 0,106 5,106 5,0 0,0
(no net) on Front, Back, In1.Cu, In2.Cu: 78,106 83,106 83,0 78,0
/Supply/EUR_+12V on Front, Back, In1.Cu, In2.Cu: 72,103.75 73.75,103.75 73.75,99.25 72,99.25
/Supply/EUR_-12V on Front, Back, In1.Cu, In2.Cu: 61.85,103.7 63.6,103.7 63.6,99.2 61.85,99.2
/Supply/IN_+12V on Front: 68.75,96.5 70.5,98.25 71.5,98.25 72.25,97.5 72.25,92.5 71.5,91.75 71.5,89.5 70.5,88.5 70.5,85.75 68.5,85.75 68,86.25 68,92.25 66.51,94.1 66.51,94.6 67.38,94.63 67.84,94.06 68.6,93.25 69,93.25 70,94.25 70,95.25 68.75,95.25
Net-(JP2-A) on Front: 63.25,95.25 65.5,95.25 65.5,94 63.25,94

## Text on the board
B.Silkscreen: CV0 | DAC_OUT1 | CV1 | TX4 | RESET | OK | GND | TRG1 | nCS | EXT_LEDS | nRST | DC | 3V3 | SCK | AD9 | MISO | SDIN | TRG0 | MIDI | 12V_EN | +10 | 5V | CANCEL | 10V_EN | CV2 | 12V_IN | CV3 | 5V_EUR | RederoTech 2024 | +5 | JTCK | -12 | TX2 | JTMS | NRST | JTDO | RX2 | JTDI | +12 | RX3 | TX3 | Asynth2Osc V0.2
User.Eco1: Front panel RJ45 / 21x21mm, e bottom=24mm | 71.12 mm = 14 x 5.08mm = 14 HP | Between boards: 13mm interval | Display connector: 36mm length | (cancel) | PCB | PANEL | RJ45 | CV | (OK) | ROT | USB Micro-B | 5V | DISPLAY | MIDI IN | G | BTN | (opt) Eurorack PWR | Jacks | TRIG | AUDIO OUT | Need 2mm at each side of USB-B connector to fit the connector body | Differencial pairs (coplanar)  |  Width (mm) | Spacing (mm) / 50 Ohms                        |  0.696      | 0.102 / 75 Ohms                        |  0.3        | 0.102 / 100 Ohms                       |  0.1189     | 0.11 / Since 50 ohms width is too much, we use 75 ohms instead
F.Silkscreen: 12V_SEL | TRG1 | CV0 | CV1 | OUT | MIDI IN | CV2 | TRG0 | CV3 | JP2 | JLCJLCJLCJLC
